# Altium PCB PS1-1B-BASIS.PcbDoc (part 3 of 7) (continued)
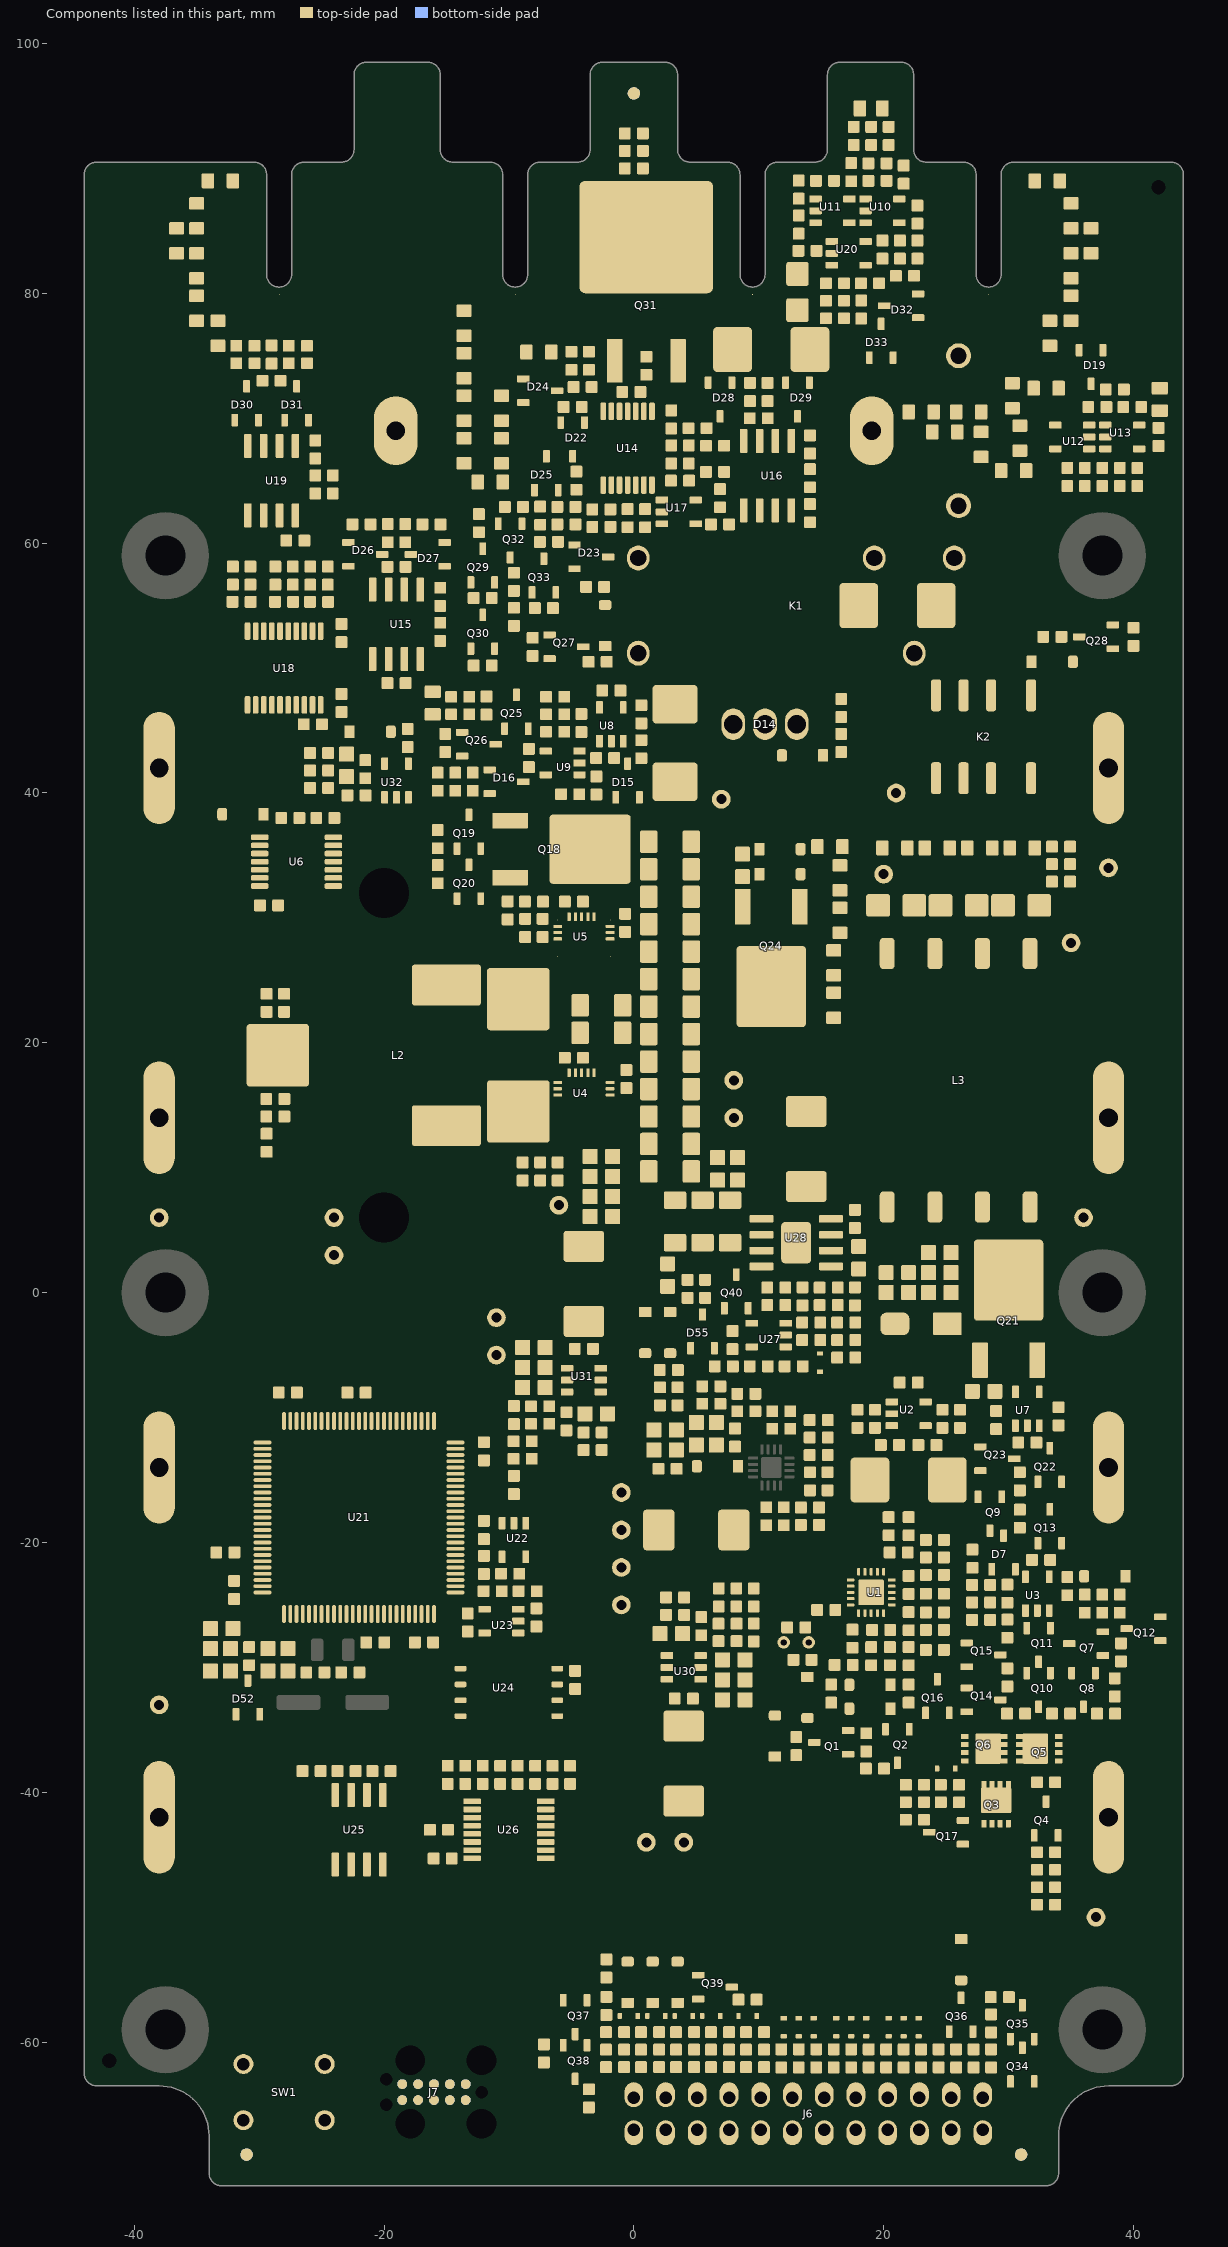
[diagram p7: the components of this part, seen from the top]
## Part data (continued)
M1: library part "PCB NAME 5mm L", "PCB name, 5mm text height, left-aligned", Manufacturer=NONE, Part Number="PCB NAME 5mm L"
M2 M5: "Tooling hole for JLC (1.152mm)", Manufacturer=NONE, Part Number="Tooling JLC"
M3: library part "SERIAL 2D 10MM RESTRICT", "2D Serial number placeholder, Dotmatrix or QR, size: 10mm, restriction on top layer", Manufacturer=NONE, Part Number="SERIAL 2D 10MM RESTRICT"
M4: library part "LOGO WHE 10MM", "WHE logo, size 10mm", Manufacturer=NONE, Part Number="LOGO WHE 10MM"
M6: library part "QR PROJ URL 10MM", "QR Code, Project URL, 10mm", Manufacturer=NONE, Part Number="QR PROJ URL 10MM"
M7: library part "LOGO FSG 10MM", "FSG logo, size 10mm", Manufacturer=NONE, Part Number="LOGO FSG 10MM"
NT1: "Net-Tie 10.00mmx1.00mm Inner Layer 4", Manufacturer=NONE, Layer="Inner Layer 4", Length=1.00mm, Part Number=NET-TIE_1000X100-I4, Width=10.00m
Q1 Q7 Q8 Q9 Q25 Q29 Q32 Q34 Q35: "50V P-Channel MOSFET", JLC Type=Extended, Manufacturer=GENERIC, Manufacturer 1="Good-Ark Semiconductor", Manufacturer 2=LRC, Manufacturer 3="Jiangsu Changjing Electronics Technology Co., Ltd.", Manufacturer Part Number 2=LBSS84LT1G, Package=SOT23, Supplier Part Number 1=4786-BSS84CT-ND, HelpURL=https://goodarksemi.com/docs/datasheets/mosfets/BSS84.pdf, Manufacturer Part Number 1=BSS84, Manufacturer Part Number 3=BSS84, Part Number=BSS84, Supplier 1=Digi-Key, Supplier 2=LCSC, Supplier 3=LCSC, Supplier Part Number 2=C8492, Supplier Part Number 3=C114481
Q2 Q10 Q11 Q12 Q13 Q14 Q15 Q16 Q17 Q19 Q22 Q23 Q26 Q27 Q28 Q30 Q33 Q36 Q37 Q38 Q39 Q40: "N-Kanal 50 V 220mA (Ta) 350mW (Ta) Oberflächenmontage SOT-23", JLC Type=Extended, Manufacturer=GENERIC, Manufacturer 1="ANBON SEMICONDUCTOR (INT'L) LIMITED", Manufacturer 2=FOSAN, Package=SOT23, Supplier Part Number 1=4530-BSS138CT-ND, HelpURL=https://mm.digikey.com/Volume0/opasdata/d220001/medias/docus/3037/BSS138.pdf, Manufacturer 3=FOSAN, Manufacturer Part Number 1=BSS138, Manufacturer Part Number 2=BSS138, Manufacturer Part Number 3=BSS138, Part Number=BSS138, Supplier 1=Digi-Key, Supplier 2=LCSC, Supplier 3=LCSC, Supplier Part Number 2=C2926186, Supplier Part Number 3=C2926186
Q3 Q5 Q6: "40V 35A 11mΩ@10V,15A 30W 1.7V 1 piece P-channel PDFN(3.3x3.3) MOSFETs ROHS", Manufacturer=AGM-Semi, Package=8-PowerVDFN, HelpURL=https://www.lcsc.com/datasheet/lcsc_datasheet_2504101957_AGM-Semi-AGM40P35AP_C18221399.pdf, Manufacturer 3=AGM-Semi, Manufacturer Part Number 3=AGM40P35AP, Part Number=AGM40P35AP, Supplier 3=LCSC, Supplier Part Number 3=C18221399
Q4: "Switching Transistor PNP Silicon", JLC Type=Extended, Manufacturer="ON SEMI", Manufacturer 3=ONSEMI, Manufacturer Part Number 3=MMBT4403LT1G, Package=SOT23, HelpURL=https://www.onsemi.com/pdf/datasheet/mmbt4403lt1-d.pdf, Part Number=MMBT4403L, Supplier 3=LCSC, Supplier Part Number 3=C78864
Q18 Q21: "N-Channel MOSFET 200V 11A", JLC Type=Extended, Manufacturer="Jingdao Microelectronics", Package=TO-252AA, HelpURL=https://www.lcsc.com/datasheet/C2935478.pdf, Manufacturer 3="Jingdao Microelectronics", Manufacturer Part Number 3=D11N20, Part Number=D11N20, Supplier 3=LCSC, Supplier Part Number 3=C2935478
Q20: "MMBT3904 40V, 0.2A NPN BJT transistor", JLC Type=Basic, Manufacturer=GENERIC, Manufacturer 1=onsemi, Manufacturer 2="MCC (Micro Commercial Components)", Manufacturer 3=JSCJ, Manufacturer Part Number 1=MMBT3904LT1G, Manufacturer Part Number 2=MMBT3904-TP, Manufacturer Part Number 3=MMBT3904(RANGE:100-300), Package=SOT23, Supplier Part Number 1=MMBT3904LT1GOSCT-ND, HelpURL=https://onsemi.com/pdf/datasheet/mmbt3904lt1-d.pdf, Part Number=MMBT3904, Supplier 1=Digi-Key, Supplier 2=Digikey, Supplier 3=LCSC, Supplier Part Number 2=MMBT3904TPMSCT-ND, Supplier Part Number 3=C20526
Q24: "N-Channel MOSFET 1200V", JLC Type=Extended, Manufacturer="Tech Public", Manufacturer 3="TECH PUBLIC", Package=TO-252AA, HelpURL=https://www.lcsc.com/datasheet/C42437012.pdf, Manufacturer Part Number 3=3N120, Part Number=3N120, Supplier 3=LCSC, Supplier Part Number 3=C42437012
Q31: "200V 88A 300W 10.7mΩ@10V,88A 4V 1 N-channel TO-263-3 MOSFETs ROHS", Manufacturer="Infineon Technologies", Manufacturer Part Number 1=IPB107N20N3GATMA1CT-ND, Package=TO-263, Supplier Part Number 1=IPB107N20N3GATMA1, HelpURL=https://www.infineon.com/dgdl/IPP_I_110N20N3+G_IPB107N20N3+G+Rev2.2.pdf?folderId=db3a3043163797a6011637d4bae7003b&fileId=db3a3043243b5f170124968e7d1f18e7, Manufacturer 1="Infineon Technologies", Manufacturer 3="Infineon Technologies", Manufacturer Part Number 3=IPB107N20N3G, Part Number=IPB107N20N3G, Supplier 1=Digi-Key, Supplier 3=LCSC, Supplier Part Number 3=C444895
R1 R2 R261 R266 R276 R283: "RES SM 0603 10R", Absolute Value=10, JLC Type=Basic, Manufacturer=GENERIC, Manufacturer 1=YAGEO, Manufacturer 3=UNI-ROYAL, Manufacturer Part Number 1=RC0603FR-1310RL, Manufacturer Part Number 2=RC0603FR-1010RL, Manufacturer Part Number 3=0603WAF100JT5E, Package=0603, Supplier Part Number 1=13-RC0603FR-1310RLCT-ND, Eurocircuits GPN=GPR060310R, HelpURL=https://www.yageogroup.com/content/datasheet/asset/file/PYU-RC_GROUP_51_ROHS_L, Manufacturer 2=YAGEO, Part Number=10R/0603, Supplier 1=Digi-Key, Supplier 2=Digi-Key, Supplier 3=LCSC, Supplier Part Number 2=13-RC0603FR-1010RLCT-ND, Supplier Part Number 3=C22859
R3 R5 R7 R8 R9 R10 R11 R13 R125 R127 R128 R130 R144 R218 R221 R242 R243 R244 R245 R246 R247 R248 R249 R258: "RES SM 0603 100R", Absolute Value=100, Manufacturer=GENERIC, Manufacturer 1=YAGEO, Manufacturer 3="UNI-ROYAL(Uniroyal Elec)", Manufacturer Part Number 1=RC0603FR-13100RL, Manufacturer Part Number 2=RC0603FR-10100RL, Manufacturer Part Number 3=0603WAF1000T5E, Package=0603, Supplier Part Number 1=13-RC0603FR-13100RLCT-ND, Eurocircuits GPN=GPR0603100R, HelpURL=https://www.yageogroup.com/content/datasheet/asset/file/PYU-RC_GROUP_51_ROHS_L, Manufacturer 2=YAGEO, Part Number=100R/0603, Supplier 1=Digi-Key, Supplier 2=Digi-Key, Supplier 3=LCSC, Supplier Part Number 2=13-RC0603FR-10100RLCT-ND, Supplier Part Number 3=C22775
R4 R12 R36 R256: "RES SM 0603 10M", Absolute Value=10000000, JLC Type=Basic, Manufacturer=GENERIC, Manufacturer 1=YAGEO, Manufacturer 3="UNI-ROYAL(Uniroyal Elec)", Manufacturer Part Number 1=RC0603FR-1310ML, Manufacturer Part Number 2=RC0603FR-1010ML, Manufacturer Part Number 3=0603WAF1005T5E, Package=0603, Supplier Part Number 1=13-RC0603FR-1310MLCT-ND, Eurocircuits GPN=GPR060310M, HelpURL=https://www.yageogroup.com/content/datasheet/asset/file/PYU-RC_GROUP_51_ROHS_L, Manufacturer 2=YAGEO, Part Number=10M/0603, Supplier 1=Digi-Key, Supplier 2=Digi-Key, Supplier 3=LCSC, Supplier Part Number 2=13-RC0603FR-1010MLCT-ND, Supplier Part Number 3=C7250
R6 R31 R35 R42 R89 R104 R184 R185 R188 R189 R203 R204 R205 R253 R257: "RES SM 0603 1M", Absolute Value=1000000, JLC Type=Basic, Manufacturer=GENERIC, Manufacturer 1=YAGEO, Manufacturer 3="UNI-ROYAL(Uniroyal Elec)", Manufacturer Part Number 1=RC0603FR-131ML, Manufacturer Part Number 2=RC0603FR-101ML, Manufacturer Part Number 3=0603WAF1004T5E, Package=0603, Supplier Part Number 1=13-RC0603FR-131MLCT-ND, Eurocircuits GPN=GPR06031M, HelpURL=https://www.yageogroup.com/content/datasheet/asset/file/PYU-RC_GROUP_51_ROHS_L, Manufacturer 2=YAGEO, Part Number=1M/0603, Supplier 1=Digi-Key, Supplier 2=Digi-Key, Supplier 3=LCSC, Supplier Part Number 2=13-RC0603FR-101MLCT-ND, Supplier Part Number 3=C22935
R14 R92 R129: "RES SM 2512 0R005", Absolute Value=0.005, Manufacturer=GENERIC, Manufacturer 1=Ohmite, Manufacturer 3=prosemi, Manufacturer Part Number 1=MCS3264R005FER, Manufacturer Part Number 3=LMP25MF2P0R005, Package=2512, Supplier Part Number 1=MCS3264R005FERCT-ND, HelpURL=https://www.ohmite.com/assets/docs/res_mcs.pdf?r=false, Part Number=0R005/2512, Supplier 1=Digi-Key, Supplier 3=LCSC, Supplier Part Number 3=C2937402
R15: "RES NTC THT 40mm 10K 3380K", Absolute Value=10000, Manufacturer=GENERIC, Manufacturer 1="Eaton - Electronics Division", Manufacturer Part Number 1=NRSE104F3380B1F, Supplier Part Number 1=283-NRSE104F3380B1F-ND, HelpURL=https://eaton.com/content/dam/eaton/products/electronic-components/resources/data-sheet/eaton-nrse-epoxy-sealed-radial-lead-ntc-thermistor-data-sheet-elx1227.pdf, Part Number=10K/40MM/NTC/3380K, Supplier 1=Digi-Key
R16 R54 R55 R56 R152: "RES NTC SM 0603 10K", Absolute Value=10000, JLC Type=Extended, Manufacturer=GENERIC, Manufacturer 1=Murata, Manufacturer 3=Sunlord, Manufacturer Part Number 1=NCU18XH103E60RB, Manufacturer Part Number 3=SDNT1608X103F3380FTF, Package=0603, Supplier Part Number 1=490-18164-1-ND, Eurocircuits GPN=GPR060310K, HelpURL=https://www.murata.com/en-us/api/pdfdownloadapi?cate=luNTCforTempeSenso&partno=NCU18XH103E60RB, Part Number=10K/0603/NTC/3380K, Supplier 1=Digi-Key, Supplier 3=LCSC, Supplier Part Number 3=C316397
R17 R20: "RES SM 0603 330K", Absolute Value=330000, JLC Type=Basic, Manufacturer=GENERIC, Manufacturer 1=YAGEO, Manufacturer Part Number 1=RC0603FR-13330KL, Manufacturer Part Number 2=RC0603FR-10330KL, Manufacturer Part Number 3=RC0603FR-07330KL, Package=0603, Supplier Part Number 1=13-RC0603FR-13330KLCT-ND, Eurocircuits GPN=GPR0603330K, HelpURL=https://www.yageogroup.com/content/datasheet/asset/file/PYU-RC_GROUP_51_ROHS_L, Manufacturer 2=YAGEO, Manufacturer 3=YAGEO, Part Number=330K/0603, Supplier 1=Digi-Key, Supplier 2=Digi-Key, Supplier 3=LCSC, Supplier Part Number 2=13-RC0603FR-10330KLCT-ND, Supplier Part Number 3=C114618
R18 R19 R32 R34 R38 R40 R51 R52 R53 R80 R82 R86 R96 R98 R100 R118 R131 R133 R134 R137 R146 R149 R150 R153 R217 R220 R222 R223 R224 R225 R226 R227 R236 R237 R238 R254 R272 R281 R288 R290: "RES SM 0603 10K", Absolute Value=10000, JLC Type=Basic, Manufacturer=GENERIC, Manufacturer 1=YAGEO, Manufacturer 3="UNI-ROYAL(Uniroyal Elec)", Manufacturer Part Number 1=RC0603FR-1310KL, Manufacturer Part Number 2=RC0603FR-1010KL, Manufacturer Part Number 3=0603WAF1002T5E, Package=0603, Supplier Part Number 1=13-RC0603FR-1310KLCT-ND, Eurocircuits GPN=GPR060310K, HelpURL=https://www.yageogroup.com/content/datasheet/asset/file/PYU-RC_GROUP_51_ROHS_L, Manufacturer 2=YAGEO, Part Number=10K/0603, Supplier 1=Digi-Key, Supplier 2=Digi-Key, Supplier 3=LCSC, Supplier Part Number 2=13-RC0603FR-1010KLCT-ND, Supplier Part Number 3=C25804
R21 R87 R88 R94 R101 R120 R151 R168 R169 R176 R177 R198 R199 R235: "RES SM 0603 1K", Absolute Value=1000, JLC Type=Basic, Manufacturer=GENERIC, Manufacturer 1=YAGEO, Manufacturer 3="UNI-ROYAL(Uniroyal Elec)", Manufacturer Part Number 1=RC0603FR-131KL, Manufacturer Part Number 2=RC0603FR-101KL, Manufacturer Part Number 3=0603WAF1001T5E, Package=0603, Supplier Part Number 1=13-RC0603FR-131KLCT-ND, Eurocircuits GPN=GPR06031K, HelpURL=https://www.yageogroup.com/content/datasheet/asset/file/PYU-RC_GROUP_51_ROHS_L, Manufacturer 2=YAGEO, Part Number=1K/0603, Supplier 1=Digi-Key, Supplier 2=Digi-Key, Supplier 3=LCSC, Supplier Part Number 2=13-RC0603FR-101KLCT-ND, Supplier Part Number 3=C21190
R22 R23 R24 R25: "RES SM 0603 27R", Absolute Value=27, JLC Type=Extended, Manufacturer=GENERIC, Manufacturer 1=YAGEO, Manufacturer Part Number 1=RC0603FR-1327RL, Manufacturer Part Number 2=RC0603FR-0727RL, Package=0603, Supplier Part Number 1=13-RC0603FR-1327RLCT-ND, Eurocircuits GPN=GPR060327R, HelpURL=https://www.yageogroup.com/content/datasheet/asset/file/PYU-RC_GROUP_51_ROHS_L, Manufacturer 2=YAGEO, Manufacturer 3=YAGEO, Manufacturer Part Number 3=RC0603FR-0727RL, Part Number=27R/0603, Supplier 1=Digi-Key, Supplier 2=Digi-Key, Supplier 3=LCSC, Supplier Part Number 2=311-27.0HRCT-ND, Supplier Part Number 3=C137753
R26 R27 R28 R30 R33 R37 R41 R43 R44 R45 R46 R47 R50 R57 R58 R67 R70 R73 R81 R83 R91 R95 R99 R102 R103 R105 R114 R117 R122 R124 R135 R136 R139 R141 R142 R148 R173 R186 R190 R197 R200 R201 R202 R229 R230 R231 R232 R233 R234 R255 R267: "RES SM 0603 100K", Absolute Value=100000, JLC Type=Basic, Manufacturer=GENERIC, Manufacturer 1=YAGEO, Manufacturer 3="UNI-ROYAL(Uniroyal Elec)", Manufacturer Part Number 1=RC0603FR-13100KL, Manufacturer Part Number 2=RC0603FR-10100KL, Manufacturer Part Number 3=0603WAF1003T5E, Package=0603, Supplier Part Number 1=13-RC0603FR-13100KLCT-ND, Eurocircuits GPN=GPR0603100K, HelpURL=https://www.yageogroup.com/content/datasheet/asset/file/PYU-RC_GROUP_51_ROHS_L, Manufacturer 2=YAGEO, Part Number=100K/0603, Supplier 1=Digi-Key, Supplier 2=Digi-Key, Supplier 3=LCSC, Supplier Part Number 2=13-RC0603FR-10100KLCT-ND, Supplier Part Number 3=C25803
R29 R85 R90 R97: "RES SM 0603 200K", Absolute Value=200000, JLC Type=Basic, Manufacturer=GENERIC, Manufacturer 1=YAGEO, Manufacturer 3="UNI-ROYAL(Uniroyal Elec)", Manufacturer Part Number 1=RC0603FR-13200KL, Manufacturer Part Number 2=RC0603FR-10200KL, Manufacturer Part Number 3=0603WAF2003T5E, Package=0603, Supplier Part Number 1=13-RC0603FR-13200KLCT-ND, Eurocircuits GPN=GPR0603200K, HelpURL=https://www.yageogroup.com/content/datasheet/asset/file/PYU-RC_GROUP_51_ROHS_L, Manufacturer 2=YAGEO, Part Number=200K/0603, Supplier 1=Digi-Key, Supplier 2=Digi-Key, Supplier 3=LCSC, Supplier Part Number 2=13-RC0603FR-10200KLCT-ND, Supplier Part Number 3=C25811
R39: "RES SM 0603 6M8", Absolute Value=6800000, JLC Type=Extended, Manufacturer=GENERIC, Manufacturer 1=YAGEO, Manufacturer 3=FOJAN, Manufacturer Part Number 1=RC0603FR-076M8L, Manufacturer Part Number 3=FRC0603F6804TS, Package=0603, Supplier Part Number 1=13-RC0603FR-076M8LCT-ND, Eurocircuits GPN=GPR06036M8, HelpURL=https://www.yageogroup.com/content/datasheet/asset/file/PYU-RC_GROUP_51_ROHS_L, Part Number=6M8/0603, Supplier 1=Digi-Key, Supplier 3=LCSC, Supplier Part Number 3=C3013205
R48 R49 R138 R147 R187 R206 R228: "RES SM 0603 0R", Absolute Value=0, JLC Type=Basic, Manufacturer=GENERIC, Manufacturer 1=YAGEO, Manufacturer 3="UNI-ROYAL(Uniroyal Elec)", Manufacturer Part Number 1=RC0603FR-070RL, Manufacturer Part Number 2=RC0603FR-130RL, Manufacturer Part Number 3=0603WAF0000T5E, Package=0603, Supplier Part Number 1=311-0.0HRCT-ND, Eurocircuits GPN=GPR06030R, HelpURL=https://www.yageogroup.com/content/datasheet/asset/file/PYU-RC_GROUP_51_ROHS_L, Manufacturer 2=YAGEO, Part Number=0R/0603, Supplier 1=Digi-Key, Supplier 2=Digi-Key, Supplier 3=LCSC, Supplier Part Number 2=13-RC0603FR-130RLCT-ND, Supplier Part Number 3=C21189
R59: "RES SM 0603 30R", Absolute Value=30, JLC Type=Extended, Manufacturer=GENERIC, Manufacturer 1=YAGEO, Manufacturer Part Number 1=RC0603FR-1330RL, Manufacturer Part Number 2=RC0603FR-0730RL, Package=0603, Supplier Part Number 1=13-RC0603FR-1330RLCT-ND, Eurocircuits GPN=GPR060330R, HelpURL=https://www.yageogroup.com/content/datasheet/asset/file/PYU-RC_GROUP_51_ROHS_L, Manufacturer 2=YAGEO, Manufacturer 3=YAGEO, Manufacturer Part Number 3=RC0603FR-0730RL, Part Number=30R/0603, Supplier 1=Digi-Key, Supplier 2=Digi-Key, Supplier 3=LCSC, Supplier Part Number 2=311-30.0HRCT-ND, Supplier Part Number 3=C128060
R60 R63 R65: "RES SM 1206 1M High voltage", Absolute Value=1000000, JLC Type=Extended, Manufacturer=GENERIC, Manufacturer 1=YAGEO, Manufacturer Part Number 1=RV1206FR-071ML, Package=1206, Supplier Part Number 1=311-1MNICT-ND, HelpURL=https://www.yageogroup.com/content/datasheet/asset/file/PYU-RV_51_ROHS_L, Manufacturer 3=YAGEO, Manufacturer Part Number 3=RV1206FR-071ML, Part Number=1M/1206/HV, Supplier 1=Digi-Key, Supplier 3=LCSC, Supplier Part Number 3=C706459
R61 R64 R66 R68: "RES SM 0805 220K High voltage", Absolute Value=220000, JLC Type=Extended, Manufacturer=GENERIC, Manufacturer 1=YAGEO, Manufacturer Part Number 3=RV0805FR-07220KL, Package=0805, HelpURL=https://www.yageogroup.com/content/datasheet/asset/file/PYU-RV_51_ROHS_L, Manufacturer 3=YAGEO, Part Number=220K/0805/HV, Supplier 3=LCSC, Supplier Part Number 3=C873358
R62 R74: "RES SM 0805 10K", Absolute Value=10000, JLC Type=Basic, Manufacturer=GENERIC, Manufacturer 1=YAGEO, Manufacturer 3="UNI-ROYAL(Uniroyal Elec)", Manufacturer Part Number 1=RC0805FR-1310KL, Manufacturer Part Number 2=RC0805FR-1010KL, Manufacturer Part Number 3=0805W8F1002T5E, Package=0805, Supplier Part Number 1=13-RC0805FR-1310KLCT-ND, Eurocircuits GPN=GPR080510K, HelpURL=https://www.yageogroup.com/content/datasheet/asset/file/PYU-RC_GROUP_51_ROHS_L, Manufacturer 2=YAGEO, Part Number=10K/0805, Supplier 1=Digi-Key, Supplier 2=Digi-Key, Supplier 3=LCSC, Supplier Part Number 2=13-RC0805FR-1010KLCT-ND, Supplier Part Number 3=C17414
R69: "RES SM 0805 1R", Absolute Value=0, JLC Type=Basic, Manufacturer=GENERIC, Manufacturer 1=YAGEO, Manufacturer 3="UNI-ROYAL(Uniroyal Elec)", Manufacturer Part Number 1=RC0805FR-130RL, Manufacturer Part Number 2=RC0805FR-100RL, Manufacturer Part Number 3=0805W8F0000T5E, Package=0805, Supplier Part Number 1=13-RC0805FR-130RLCT-ND, Eurocircuits GPN=GPR08050R, HelpURL=https://www.yageogroup.com/content/datasheet/asset/file/PYU-RC_GROUP_51_ROHS_L, Manufacturer 2=YAGEO, Part Number=0R/0805, Supplier 1=Digi-Key, Supplier 2=Digi-Key, Supplier 3=LCSC, Supplier Part Number 2=13-RC0805FR-100RLCT-ND, Supplier Part Number 3=C17477
R71 R72 R93 R132 R140: "RES SM 0603 2K", Absolute Value=2000, JLC Type=Basic, Manufacturer=GENERIC, Manufacturer 1=YAGEO, Manufacturer 3="UNI-ROYAL(Uniroyal Elec)", Manufacturer Part Number 1=RC0603FR-132KL, Manufacturer Part Number 2=RC0603FR-102KL, Manufacturer Part Number 3=0603WAF2001T5E, Package=0603, Supplier Part Number 1=13-RC0603FR-132KLCT-ND, Eurocircuits GPN=GPR06032K, HelpURL=https://www.yageogroup.com/content/datasheet/asset/file/PYU-RC_GROUP_51_ROHS_L, Manufacturer 2=YAGEO, Part Number=2K/0603, Supplier 1=Digi-Key, Supplier 2=Digi-Key, Supplier 3=LCSC, Supplier Part Number 2=13-RC0603FR-102KLCT-ND, Supplier Part Number 3=C22975
R75 R76 R77 R78 R79 R154 R155 R156 R157 R164 R165 R166 R167: "RES SM 0805 2M High voltage", Absolute Value=2000000, JLC Type=Extended, Manufacturer=GENERIC, Manufacturer 1=YAGEO, Manufacturer Part Number 1=RV0805FR-072ML, Package=0805, Supplier Part Number 1=13-RV0805FR-072MLCT-ND, HelpURL=https://www.yageogroup.com/content/datasheet/asset/file/PYU-RV_51_ROHS_L, Manufacturer 3=YAGEO, Manufacturer Part Number 3=RV0805FR-072ML, Part Number=2M/0805/HV, Supplier 1=Digi-Key, Supplier 3=LCSC, Supplier Part Number 3=C873372
R84: "RES SM 0603 6K8", Absolute Value=6800, JLC Type=Basic, Manufacturer=GENERIC, Manufacturer 1=YAGEO, Manufacturer 3=UNI-ROYAL, Manufacturer Part Number 1=RC0603FR-136K8L, Manufacturer Part Number 2=RC0603FR-106K8L, Manufacturer Part Number 3=0603WAF6801T5E, Package=0603, Supplier Part Number 1=13-RC0603FR-136K8LCT-ND, Eurocircuits GPN=GPR06036K8, HelpURL=https://www.yageogroup.com/content/datasheet/asset/file/PYU-RC_GROUP_51_ROHS_L, Manufacturer 2=YAGEO, Part Number=6K8/0603, Supplier 1=Digi-Key, Supplier 2=Digi-Key, Supplier 3=LCSC, Supplier Part Number 2=13-RC0603FR-106K8LCT-ND, Supplier Part Number 3=C23212
R106 R262 R277 R284 R287: "RES SM 0603 30K", Absolute Value=30000, JLC Type=Basic, Manufacturer=GENERIC, Manufacturer 1=YAGEO, Manufacturer 3="UNI-ROYAL(Uniroyal Elec)", Manufacturer Part Number 1=RC0603FR-1330KL, Manufacturer Part Number 2=RC0603FR-1030KL, Manufacturer Part Number 3=0603WAF3002T5E, Package=0603, Supplier Part Number 1=13-RC0603FR-1330KLCT-ND, Eurocircuits GPN=GPR060330K, HelpURL=https://www.yageogroup.com/content/datasheet/asset/file/PYU-RC_GROUP_51_ROHS_L, Manufacturer 2=YAGEO, Part Number=30K/0603, Supplier 1=Digi-Key, Supplier 2=Digi-Key, Supplier 3=LCSC, Supplier Part Number 2=13-RC0603FR-1030KLCT-ND, Supplier Part Number 3=C22984
R107: "RES SM 2512 0R", Absolute Value=0, Manufacturer=GENERIC, Package=2512, Part Number=0R/2512
R108 R109 R110 R112 R113 R115 R116 R119: "RES SM 0805 3M3 High voltage", Absolute Value=3300000, JLC Type=Extended, Manufacturer=GENERIC, Manufacturer 1=YAGEO, Manufacturer Part Number 1="RES SMD 3.3M OHM 1% 1/8W 0805", Manufacturer Part Number 3=RV0805FR-073M3L, Package=0805, Supplier Part Number 1=RV0805FR-073M3L-ND, HelpURL=https://www.yageogroup.com/content/datasheet/asset/file/PYU-RV_51_ROHS_L, Manufacturer 3=YAGEO, Part Number=3M3/0805/HV, Supplier 1=Digi-Key, Supplier 3=LCSC, Supplier Part Number 3=C873387
R111 R123: "RES SM 0603 330R", Absolute Value=330, JLC Type=Basic, Manufacturer=GENERIC, Manufacturer 1=YAGEO, Manufacturer 3="UNI-ROYAL(Uniroyal Elec)", Manufacturer Part Number 1=RC0603FR-13330RL, Manufacturer Part Number 2=RC0603FR-10330RL, Manufacturer Part Number 3=0603WAF3300T5E, Package=0603, Supplier Part Number 1=13-RC0603FR-13330RLCT-ND, Eurocircuits GPN=GPR0603330R, HelpURL=https://www.yageogroup.com/content/datasheet/asset/file/PYU-RC_GROUP_51_ROHS_L, Manufacturer 2=YAGEO, Part Number=330R/0603, Supplier 1=Digi-Key, Supplier 2=Digi-Key, Supplier 3=LCSC, Supplier Part Number 2=13-RC0603FR-10330RLCT-ND, Supplier Part Number 3=C23138
R121: "RES SM 0603 910K", Absolute Value=910000, JLC Type=Extended, Manufacturer=GENERIC, Manufacturer 1=YAGEO, Manufacturer Part Number 1=RC0603FR-07910KL, Package=0603, Supplier Part Number 1=311-910KHRCT-ND, Eurocircuits GPN=GPR0603910K, HelpURL=https://www.yageogroup.com/content/datasheet/asset/file/PYU-RC_GROUP_51_ROHS_L, Manufacturer 3=YAGEO, Manufacturer Part Number 3=RC0603FR-07910KL, Part Number=910K/0603, Supplier 1=Digi-Key, Supplier 3=LCSC, Supplier Part Number 3=C137672
R126: "RES SM 1206 100R", Absolute Value=100, Manufacturer=GENERIC, Manufacturer 1=YAGEO, Manufacturer 3="UNI-ROYAL(Uniroyal Elec)", Manufacturer Part Number 1=RC1206FR-07100RL, Manufacturer Part Number 3=1206W4F1000T5E, Package=1206, Supplier Part Number 1=311-100FRCT-ND, HelpURL=https://www.yageogroup.com/content/datasheet/asset/file/PYU-RC_GROUP_51_ROHS_L, Part Number=100R/1206, Supplier 1=Digi-Key, Supplier 3=LCSC, Supplier Part Number 3=C17901
R143: "RES SM 0603 75K", Absolute Value=75000, JLC Type=Basic, Manufacturer=GENERIC, Manufacturer 1=YAGEO, Manufacturer 3="UNI-ROYAL(Uniroyal Elec)", Manufacturer Part Number 1=RC0603FR-1375KL, Manufacturer Part Number 2=RC0603FR-1075KL, Manufacturer Part Number 3=0603WAF7502T5E, Package=0603, Supplier Part Number 1=13-RC0603FR-1375KLCT-ND, Eurocircuits GPN=GPR060375K, HelpURL=https://www.yageogroup.com/content/datasheet/asset/file/PYU-RC_GROUP_51_ROHS_L, Manufacturer 2=YAGEO, Part Number=75K/0603, Supplier 1=Digi-Key, Supplier 2=Digi-Key, Supplier 3=LCSC, Supplier Part Number 2=13-RC0603FR-1075KLCT-ND, Supplier Part Number 3=C23242
R145: "RES SM 0603 110K", Absolute Value=110000, JLC Type=Extended, Manufacturer=GENERIC, Manufacturer 1=YAGEO, Manufacturer 3="UNI-ROYAL(Uniroyal Elec)", Manufacturer Part Number 1=RC0603FR-13110KL, Manufacturer Part Number 2=RC0603FR-07110KL, Manufacturer Part Number 3=0603WAF1103T5E, Package=0603, Supplier Part Number 1=13-RC0603FR-13110KLCT-ND, Eurocircuits GPN=GPR0603110K, HelpURL=https://www.yageogroup.com/content/datasheet/asset/file/PYU-RC_GROUP_51_ROHS_L, Manufacturer 2=YAGEO, Part Number=110K/0603, Supplier 1=Digi-Key, Supplier 2=Digi-Key, Supplier 3=LCSC, Supplier Part Number 2=311-110KHRCT-ND, Supplier Part Number 3=C25805
R158 R159 R161 R162 R271: "RES SM 0603 16K", Absolute Value=16000, JLC Type=Extended, Manufacturer=GENERIC, Manufacturer 1=YAGEO, Manufacturer Part Number 1=RC0603FR-1316KL, Manufacturer Part Number 2=RC0603FR-1016KL, Manufacturer Part Number 3=RC0603FR-0716KL, Package=0603, Supplier Part Number 1=13-RC0603FR-1316KLCT-ND, Eurocircuits GPN=GPR060316K, HelpURL=https://www.yageogroup.com/content/datasheet/asset/file/PYU-RC_GROUP_51_ROHS_L, Manufacturer 2=YAGEO, Manufacturer 3=YAGEO, Part Number=16K/0603, Supplier 1=Digi-Key, Supplier 2=Digi-Key, Supplier 3=LCSC, Supplier Part Number 2=13-RC0603FR-1016KLCT-ND, Supplier Part Number 3=C137788
R160 R269: "RES SM 0603 15K", Absolute Value=15000, JLC Type=Basic, Manufacturer=GENERIC, Manufacturer 1=YAGEO, Manufacturer 3="UNI-ROYAL(Uniroyal Elec)", Manufacturer Part Number 1=RC0603FR-1315KL, Manufacturer Part Number 2=RC0603FR-1015KL, Manufacturer Part Number 3=0603WAF1502T5E, Package=0603, Supplier Part Number 1=13-RC0603FR-1315KLCT-ND, Eurocircuits GPN=GPR060315K, HelpURL=https://www.yageogroup.com/content/datasheet/asset/file/PYU-RC_GROUP_51_ROHS_L, Manufacturer 2=YAGEO, Part Number=15K/0603, Supplier 1=Digi-Key, Supplier 2=Digi-Key, Supplier 3=LCSC, Supplier Part Number 2=13-RC0603FR-1015KLCT-ND, Supplier Part Number 3=C22809
R163: "RES SM 0603 360K", Absolute Value=360000, JLC Type=Extended, Manufacturer=GENERIC, Manufacturer 1=YAGEO, Manufacturer 3="UNI-ROYAL(Uniroyal Elec)", Manufacturer Part Number 1=RC0603FR-07360KL, Manufacturer Part Number 3=0603WAF3603T5E, Package=0603, Supplier Part Number 1=311-360KHRCT-ND, Eurocircuits GPN=GPR0603360K, HelpURL=https://www.yageogroup.com/content/datasheet/asset/file/PYU-RC_GROUP_51_ROHS_L, Part Number=360K/0603, Supplier 1=Digi-Key, Supplier 3=LCSC, Supplier Part Number 3=C23146
R170 R175: "RES SM 0603 130K", Absolute Value=130000, JLC Type=Extended, Manufacturer=GENERIC, Manufacturer 1=YAGEO, Manufacturer Part Number 1=RC0603FR-07130KL, Package=0603, Supplier Part Number 1=311-130KHRCT-ND, Eurocircuits GPN=GPR0603130K, HelpURL=https://www.yageogroup.com/content/datasheet/asset/file/PYU-RC_GROUP_51_ROHS_L, Manufacturer 3=YAGEO, Manufacturer Part Number 3=RC0603FR-07130KL, Part Number=130K/0603, Supplier 1=Digi-Key, Supplier 3=LCSC, Supplier Part Number 3=C163432
R171 R174: "RES SM 0603 18K", Absolute Value=18000, JLC Type=Basic, Manufacturer=GENERIC, Manufacturer 1=YAGEO, Manufacturer 3=UNI-ROYAL, Manufacturer Part Number 1=RC0603FR-1318KL, Manufacturer Part Number 2=RC0603FR-1018KL, Manufacturer Part Number 3=0603WAF1802T5E, Package=0603, Supplier Part Number 1=13-RC0603FR-1318KLCT-ND, Eurocircuits GPN=GPR060318K, HelpURL=https://www.yageogroup.com/content/datasheet/asset/file/PYU-RC_GROUP_51_ROHS_L, Manufacturer 2=YAGEO, Part Number=18K/0603, Supplier 1=Digi-Key, Supplier 2=Digi-Key, Supplier 3=LCSC, Supplier Part Number 2=13-RC0603FR-1018KLCT-ND, Supplier Part Number 3=C25810
R172 R264: "RES SM 0603 20K", Absolute Value=20000, JLC Type=Basic, Manufacturer=GENERIC, Manufacturer 1=YAGEO, Manufacturer 3="UNI-ROYAL(Uniroyal Elec)", Manufacturer Part Number 1=RC0603FR-1320KL, Manufacturer Part Number 2=RC0603FR-1020KL, Manufacturer Part Number 3=0603WAF2002T5E, Package=0603, Supplier Part Number 1=13-RC0603FR-1320KLCT-ND, Eurocircuits GPN=GPR060320K, HelpURL=https://www.yageogroup.com/content/datasheet/asset/file/PYU-RC_GROUP_51_ROHS_L, Manufacturer 2=YAGEO, Part Number=20K/0603, Supplier 1=Digi-Key, Supplier 2=Digi-Key, Supplier 3=LCSC, Supplier Part Number 2=13-RC0603FR-1020KLCT-ND, Supplier Part Number 3=C4184
R178 R179 R180 R181 R182 R183 R191 R192 R193 R194 R195 R196: "RES SM 0805 750K High voltage", Absolute Value=750000, JLC Type=Extended, Manufacturer=GENERIC, Manufacturer 1=YAGEO, Manufacturer Part Number 3=RV0805FR-07750KL, Package=0805, HelpURL=https://www.yageogroup.com/content/datasheet/asset/file/PYU-RV_51_ROHS_L, Manufacturer 3=YAGEO, Part Number=750K/0805/HV, Supplier 3=LCSC, Supplier Part Number 3=C873432
R207 R208 R209 R210 R211 R212 R213 R214 R215 R216 R219: "RES SM 0603 200R", Absolute Value=200, JLC Type=Basic, Manufacturer=GENERIC, Manufacturer 1=YAGEO, Manufacturer 3="UNI-ROYAL(Uniroyal Elec)", Manufacturer Part Number 1=RC0603FR-13200RL, Manufacturer Part Number 2=RC0603FR-07200RL, Manufacturer Part Number 3=0603WAF2000T5E, Package=0603, Supplier Part Number 1=13-RC0603FR-13200RLCT-ND, Eurocircuits GPN=GPR0603200R, HelpURL=https://www.yageogroup.com/content/datasheet/asset/file/PYU-RC_GROUP_51_ROHS_L, Manufacturer 2=YAGEO, Part Number=200R/0603, Supplier 1=Digi-Key, Supplier 2=Digi-Key, Supplier 3=LCSC, Supplier Part Number 2=311-200HRCT-ND, Supplier Part Number 3=C8218
R239 R240 R241: "RES SM 0603 4K7", Absolute Value=4700, JLC Type=Basic, Manufacturer=GENERIC, Manufacturer 1=YAGEO, Manufacturer 3="UNI-ROYAL(Uniroyal Elec)", Manufacturer Part Number 1=RC0603FR-134K7L, Manufacturer Part Number 2=RC0603FR-104K7L, Manufacturer Part Number 3=0603WAF4701T5E, Package=0603, Supplier Part Number 1=13-RC0603FR-134K7LCT-ND, Eurocircuits GPN=GPR06034K7, HelpURL=https://www.yageogroup.com/content/datasheet/asset/file/PYU-RC_GROUP_51_ROHS_L, Manufacturer 2=YAGEO, Part Number=4K7/0603, Supplier 1=Digi-Key, Supplier 2=Digi-Key, Supplier 3=LCSC, Supplier Part Number 2=13-RC0603FR-104K7LCT-ND, Supplier Part Number 3=C23162
R250 R251: "RES SM 0603 300K", Absolute Value=300000, JLC Type=Basic, Manufacturer=GENERIC, Manufacturer 1=YAGEO, Manufacturer 3="UNI-ROYAL(Uniroyal Elec)", Manufacturer Part Number 1=RC0603FR-13300KL, Manufacturer Part Number 2=RC0603FR-10300KL, Manufacturer Part Number 3=0603WAF3003T5E, Package=0603, Supplier Part Number 1=13-RC0603FR-13300KLCT-ND, Eurocircuits GPN=GPR0603300K, HelpURL=https://www.yageogroup.com/content/datasheet/asset/file/PYU-RC_GROUP_51_ROHS_L, Manufacturer 2=YAGEO, Part Number=300K/0603, Supplier 1=Digi-Key, Supplier 2=Digi-Key, Supplier 3=LCSC, Supplier Part Number 2=13-RC0603FR-10300KLCT-ND, Supplier Part Number 3=C23024
R252 R263 R268: "RES SM 0603 180K", Absolute Value=180000, JLC Type=Extended, Manufacturer=GENERIC, Manufacturer 1=YAGEO, Manufacturer 3="UNI-ROYAL(Uniroyal Elec)", Manufacturer Part Number 1=RC0603FR-13180KL, Manufacturer Part Number 2=RC0603FR-10180KL, Manufacturer Part Number 3=0603WAF1803T5E, Package=0603, Supplier Part Number 1=13-RC0603FR-13180KLCT-ND, Eurocircuits GPN=GPR0603180K, HelpURL=https://www.yageogroup.com/content/datasheet/asset/file/PYU-RC_GROUP_51_ROHS_L, Manufacturer 2=YAGEO, Part Number=180K/0603, Supplier 1=Digi-Key, Supplier 2=Digi-Key, Supplier 3=LCSC, Supplier Part Number 2=13-RC0603FR-10180KLCT-ND, Supplier Part Number 3=C22827
R259: "RES SM 0805 120K", Absolute Value=120000, JLC Type=Extended, Manufacturer=GENERIC, Manufacturer 1=YAGEO, Manufacturer Part Number 1=RC0805FR-13120KL, Manufacturer Part Number 2=RC0805FR-07120KL, Package=0805, Supplier Part Number 1=13-RC0805FR-13120KLCT-ND, Eurocircuits GPN=GPR0805120K, HelpURL=https://www.yageogroup.com/content/datasheet/asset/file/PYU-RC_GROUP_51_ROHS_L, Manufacturer 2=YAGEO, Manufacturer 3=YAGEO, Manufacturer Part Number 3=RC0805FR-07120KL, Part Number=120K/0805, Supplier 1=Digi-Key, Supplier 2=Digi-Key, Supplier 3=LCSC, Supplier Part Number 2=311-120KCRCT-ND, Supplier Part Number 3=C114524
R260: "RES SM 0805 240K", Absolute Value=240000, JLC Type=Extended, Manufacturer=GENERIC, Manufacturer 1=YAGEO, Manufacturer 3=FOJAN, Manufacturer Part Number 1=RC0805FR-10240KL, Manufacturer Part Number 2=RC0805FR-07240KL, Manufacturer Part Number 3=FRC0805J244, Package=0805, Supplier Part Number 1=13-RC0805FR-10240KLCT-ND, Eurocircuits GPN=GPR0805240K, HelpURL=https://www.yageogroup.com/content/datasheet/asset/file/PYU-RC_GROUP_51_ROHS_L, Manufacturer 2=YAGEO, Part Number=240K/0805, Supplier 1=Digi-Key, Supplier 2=Digi-Key, Supplier 3=LCSC, Supplier Part Number 2=311-240KCRCT-ND, Supplier Part Number 3=C2960883
R265: "RES SM 0603 150K", Absolute Value=150000, JLC Type=Basic, Manufacturer=GENERIC, Manufacturer 1=YAGEO, Manufacturer 3="UNI-ROYAL(Uniroyal Elec)", Manufacturer Part Number 1=RC0603FR-13150KL, Manufacturer Part Number 2=RC0603FR-10150KL, Manufacturer Part Number 3=0603WAF1503T5E, Package=0603, Supplier Part Number 1=13-RC0603FR-13150KLCT-ND, Eurocircuits GPN=GPR0603150K, HelpURL=https://www.yageogroup.com/content/datasheet/asset/file/PYU-RC_GROUP_51_ROHS_L, Manufacturer 2=YAGEO, Part Number=150K/0603, Supplier 1=Digi-Key, Supplier 2=Digi-Key, Supplier 3=LCSC, Supplier Part Number 2=13-RC0603FR-10150KLCT-ND, Supplier Part Number 3=C22807
R270: "RES SM 0603 240K", Absolute Value=240000, JLC Type=Extended, Manufacturer=GENERIC, Manufacturer 1=YAGEO, Manufacturer 3="UNI-ROYAL(Uniroyal Elec)", Manufacturer Part Number 1=RC0603FR-13240KL, Manufacturer Part Number 2=RC0603FR-07240KL, Manufacturer Part Number 3=0603WAF2403T5E, Package=0603, Supplier Part Number 1=13-RC0603FR-13240KLCT-ND, Eurocircuits GPN=GPR0603240K, HelpURL=https://www.yageogroup.com/content/datasheet/asset/file/PYU-RC_GROUP_51_ROHS_L, Manufacturer 2=YAGEO, Part Number=240K/0603, Supplier 1=Digi-Key, Supplier 2=Digi-Key, Supplier 3=LCSC, Supplier Part Number 2=311-240KHRCT-ND, Supplier Part Number 3=C4197
R273: "RES SM 0603 470R", Absolute Value=470, JLC Type=Basic, Manufacturer=GENERIC, Manufacturer 1=YAGEO, Manufacturer 3=UNI-ROYAL, Manufacturer Part Number 1=RC0603FR-13470RL, Manufacturer Part Number 2=RC0603FR-10470RL, Manufacturer Part Number 3=0603WAF4700T5E, Package=0603, Supplier Part Number 1=13-RC0603FR-13470RLCT-ND, Eurocircuits GPN=GPR0603470R, HelpURL=https://www.yageogroup.com/content/datasheet/asset/file/PYU-RC_GROUP_51_ROHS_L, Manufacturer 2=YAGEO, Part Number=470R/0603, Supplier 1=Digi-Key, Supplier 2=Digi-Key, Supplier 3=LCSC, Supplier Part Number 2=13-RC0603FR-10470RLCT-ND, Supplier Part Number 3=C23179
R274 R278: "RES SM 0603 62K", Absolute Value=62000, JLC Type=Extended, Manufacturer=GENERIC, Manufacturer 1=YAGEO, Manufacturer 3="UNI-ROYAL(Uniroyal Elec)", Manufacturer Part Number 1=RC0603FR-1362KL, Manufacturer Part Number 2=RC0603FR-1062KL, Manufacturer Part Number 3=0603WAF6202T5E, Package=0603, Supplier Part Number 1=13-RC0603FR-1362KLCT-ND, Eurocircuits GPN=GPR060362K, HelpURL=https://www.yageogroup.com/content/datasheet/asset/file/PYU-RC_GROUP_51_ROHS_L, Manufacturer 2=YAGEO, Part Number=62K/0603, Supplier 1=Digi-Key, Supplier 2=Digi-Key, Supplier 3=LCSC, Supplier Part Number 2=13-RC0603FR-1062KLCT-ND, Supplier Part Number 3=C23221
R275 R282 R285: "RES SM 0603 120K", Absolute Value=120000, JLC Type=Basic, Manufacturer=GENERIC, Manufacturer 1=YAGEO, Manufacturer 3="UNI-ROYAL(Uniroyal Elec)", Manufacturer Part Number 1=RC0603FR-13120KL, Manufacturer Part Number 2=RC0603FR-10120KL, Manufacturer Part Number 3=0603WAF1203T5E, Package=0603, Supplier Part Number 1=13-RC0603FR-13120KLCT-ND, Eurocircuits GPN=GPR0603120K, HelpURL=https://www.yageogroup.com/content/datasheet/asset/file/PYU-RC_GROUP_51_ROHS_L, Manufacturer 2=YAGEO, Part Number=120K/0603, Supplier 1=Digi-Key, Supplier 2=Digi-Key, Supplier 3=LCSC, Supplier Part Number 2=13-RC0603FR-10120KLCT-ND, Supplier Part Number 3=C25808
R279 R289: "RES SM 0603 43K", Absolute Value=43000, JLC Type=Extended, Manufacturer=GENERIC, Manufacturer 1=YAGEO, Manufacturer Part Number 1=RC0603FR-1343KL, Manufacturer Part Number 2=RC0603FR-1043KL, Manufacturer Part Number 3=RC0603FR-0743KL, Package=0603, Supplier Part Number 1=13-RC0603FR-1343KLCT-ND, Eurocircuits GPN=GPR060343K, HelpURL=https://www.yageogroup.com/content/datasheet/asset/file/PYU-RC_GROUP_51_ROHS_L, Manufacturer 2=YAGEO, Manufacturer 3=YAGEO, Part Number=43K/0603, Supplier 1=Digi-Key, Supplier 2=Digi-Key, Supplier 3=LCSC, Supplier Part Number 2=13-RC0603FR-1043KLCT-ND, Supplier Part Number 3=C137719
R280: "RES SM 0603 27K", Absolute Value=27000, JLC Type=Basic, Manufacturer=GENERIC, Manufacturer 1=YAGEO, Manufacturer 3="UNI-ROYAL(Uniroyal Elec)", Manufacturer Part Number 1=RC0603FR-1327KL, Manufacturer Part Number 2=RC0603FR-1027KL, Manufacturer Part Number 3=0603WAF2702T5E, Package=0603, Supplier Part Number 1=13-RC0603FR-1327KLCT-ND, Eurocircuits GPN=GPR060327K, HelpURL=https://www.yageogroup.com/content/datasheet/asset/file/PYU-RC_GROUP_51_ROHS_L, Manufacturer 2=YAGEO, Part Number=27K/0603, Supplier 1=Digi-Key, Supplier 2=Digi-Key, Supplier 3=LCSC, Supplier Part Number 2=13-RC0603FR-1027KLCT-ND, Supplier Part Number 3=C22967
R286: "RES SM 0603 68K", Absolute Value=68000, JLC Type=Basic, Manufacturer=GENERIC, Manufacturer 1=YAGEO, Manufacturer Part Number 1=RC0603FR-1368KL, Manufacturer Part Number 2=RC0603FR-1068KL, Manufacturer Part Number 3=RC0603FR-0768KL, Package=0603, Supplier Part Number 1=13-RC0603FR-1368KLCT-ND, Eurocircuits GPN=GPR060368K, HelpURL=https://www.yageogroup.com/content/datasheet/asset/file/PYU-RC_GROUP_51_ROHS_L, Manufacturer 2=YAGEO, Manufacturer 3=YAGEO, Part Number=68K/0603, Supplier 1=Digi-Key, Supplier 2=Digi-Key, Supplier 3=LCSC, Supplier Part Number 2=13-RC0603FR-1068KLCT-ND, Supplier Part Number 3=C114633
SW1: library part "BTN 6X6MM 4.3MM 1.5N", "Pushbutton switch, PCB mount, 6x6mm, 4.3mm height, 1.5N operating force", Manufacturer 1="Omron Electronics Inc-EMC Div", Manufacturer Part Number 1=B3F-1002, Supplier Part Number 1=SW401-ND, HelpURL=https://omronfs.omron.com/en_US/ecb/products/pdf/en-b3f.pdf, Part Number="BTN 6X6MM 4.3MM 1.5N", Supplier 1=Digi-Key
TP1 TP2 TP3 TP4 TP5 TP6 TP7 TP8 TP9 TP10 TP11 TP12 TP13 TP14 TP15 TP16 TP17 TP18 TP19 TP20 TP21 TP22: "THT Test Point 1.5/0.8mm", Manufacturer=NONE, Part Number=TP_THD_1.5/0.8
U1: "BQ76905 2-Series to 5-Series High Accuracy Battery Monitor and Protector for Li-Ion, Li-Polymer, LiFePO4 (LFP), and LTO Battery Packs", Manufacturer="Texas Instruments", Manufacturer Part Number 1=BQ76905RGRR, Supplier Part Number 1=296-BQ76905RGRRCT-ND, HelpURL=https://www.ti.com/lit/ds/symlink/bq76905.pdf, Manufacturer 1="Texas Instruments", Manufacturer 3="Texas Instruments", Manufacturer Part Number 3=BQ76905RGRR, Part Number=BQ76905, Supplier 1=Digi-Key, Supplier 3=LCSC, Supplier Part Number 3=C22394458
U2 U8 U12 U17 U20 U22 U23: library part "TLV314 SOT23", "TLV314, 3-MHz, Low-Power, Internal EMI Filter, RRIO, Operational Amplifier", Manufacturer="Texas Instruments", Manufacturer Part Number 1=TLV314IDBVR, Manufacturer Part Number 2=TLV314IDBVT, Package=SOT23-5, Supplier Part Number 1=296-46275-1-ND, HelpURL=https://www.ti.com/lit/ds/symlink/tlv4314.pdf, Manufacturer 1="Texas Instruments", Manufacturer 2="Texas Instruments", Manufacturer 3="Texas Instruments", Manufacturer Part Number 3=TLV314IDBVR, Part Number="TLV314 SOT23", Supplier 1=Digi-Key, Supplier 2=Digi-Key, Supplier 3=LCSC, Supplier Part Number 2=296-44110-2-ND, Supplier Part Number 3=C133032
U3 U9 U10 U11 U13 U27: library part "TLV1701 SOT23", "TLV1701 2.2-V to 36-V, microPower Comparato", Manufacturer="Texas Instruments", Manufacturer Part Number 1=TLV1701AIDBVR, Manufacturer Part Number 2=TLV1701QDBVRQ1, Package=SOT23-5, Supplier Part Number 1=296-40599-1-ND, HelpURL=https://www.ti.com/lit/ds/symlink/tlv1701.pdf, Manufacturer 1="Texas Instruments", Manufacturer 2="Texas Instruments", Manufacturer 3="Texas Instruments", Manufacturer Part Number 3=TLV1701AIDBVR, Part Number="TLV1701 SOT23", Supplier 1=Digi-Key, Supplier 2=Digi-Key, Supplier 3=LCSC, Supplier Part Number 2=296-47458-1-ND, Supplier Part Number 3=C130035
U4 U5: "LMG2100R044 100V, 35A GaN Half-Bridge Power Stage", JLC Type=Extended, Manufacturer="Texas Instruments", Manufacturer 3=TI, Manufacturer Part Number 1=LMG2100R044RARR, Package=QFN-17, Supplier Part Number 1=296-LMG2100R044RARRCT-ND, HelpURL=https://www.ti.com/lit/ds/symlink/lmg2100r044.pdf, Manufacturer 1="Texas Instruments", Manufacturer Part Number 3=LMG2100R044RARR, Part Number=LMG2100R044, Supplier 1=Digi-Key, Supplier 3=LCSC, Supplier Part Number 3=C22453052
U6: "SN74LVC08A Quadruple 2-Input Positive-AND Gates", JLC Type=Extended, Manufacturer=TI, Manufacturer 1="Texas Instruments", Manufacturer Part Number 1=SN74LVC08APWR, Package=TSSOP, Supplier Part Number 1=296-1221-1-ND, HelpURL=https://www.ti.com/lit/ds/symlink/sn74lvc08a.pdf, Manufacturer 3=TI, Manufacturer Part Number 3=SN74LVC08APWR, Part Number="SN74LVC08A TSSOP", Supplier 1=Digi-Key, Supplier 3=LCSC, Supplier Part Number 3=C465737